# Altium PCB Shuttler_AMC.PcbDoc (part 9 of 12) (continued)
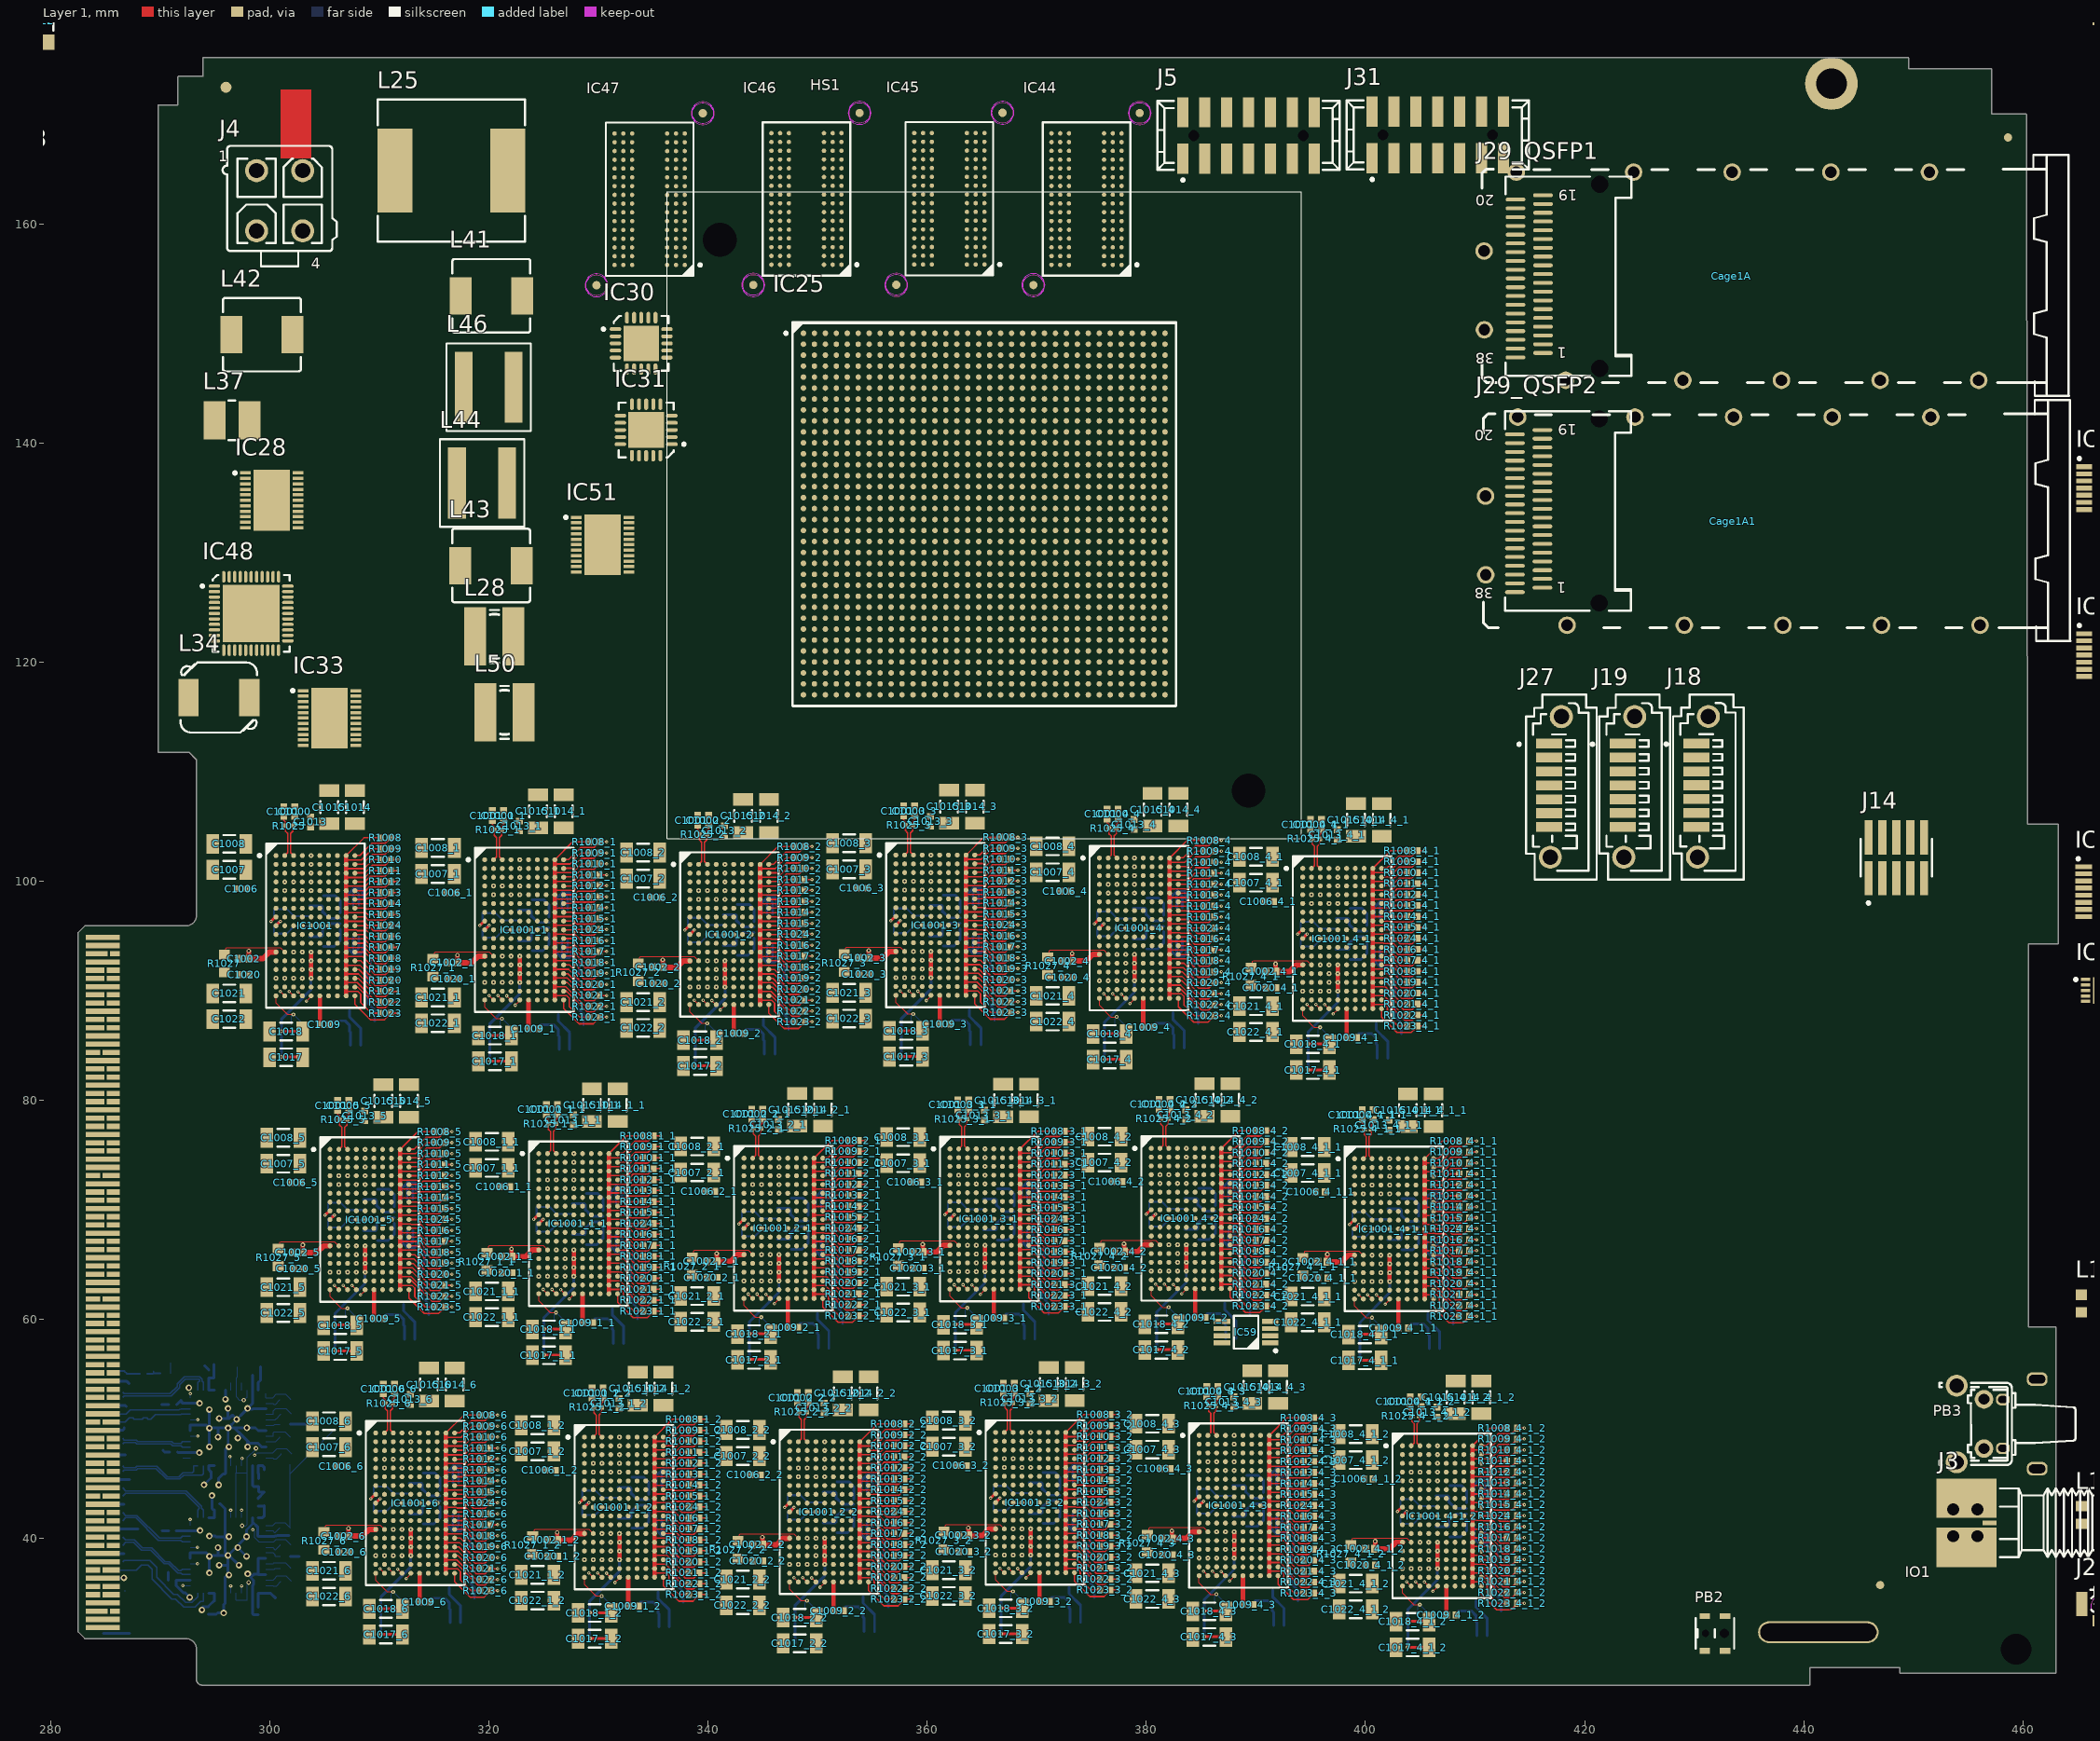
[diagram p0: Layer 1 view]
## Nets (pads, with @x,y where several pads share a name; then routed paths per layer and width w, separated by ;. In a path a pad name is that pad's centre, name@x,y a point inside that pad or via, vN(x,y) a via of type N, cw(c..) or ccw(c..) an arc to the next point about the centre after c; other vN are vias at no path point) (continued)
R1013_3.2 R1013_3_1.1 R1013_3_1.2 R1013_3_2.1 R1013_3_2.2 R1013_4.1 R1013_4.2 R1013_4_1.1 R1013_4_1.2 R1013_4_1_1.1 R1013_4_1_1.2 R1013_4_1_2.1 R1013_4_1_2.2 R1013_4_2.1 R1013_4_2.2 R1013_4_3.1 R1013_4_3.2 R1013_5.1 R1013_5.2 R1013_6.1 R1013_6.2 R1014.1 R1014.2 R1014_1.1 R1014_1.2 R1014_1_1.1 R1014_1_1.2 R1014_1_2.1 R1014_1_2.2 R1014_2.1 R1014_2.2 R1014_2_1.1 R1014_2_1.2 R1014_2_2.1 R1014_2_2.2 R1014_3.1 R1014_3.2 R1014_3_1.1 R1014_3_1.2 R1014_3_2.1 R1014_3_2.2 R1014_4.1 R1014_4.2 R1014_4_1.1 R1014_4_1.2 R1014_4_1_1.1 R1014_4_1_1.2 R1014_4_1_2.1 R1014_4_1_2.2 R1014_4_2.1 R1014_4_2.2 R1014_4_3.1 R1014_4_3.2 R1014_5.1 R1014_5.2 R1014_6.1 R1014_6.2 R1015.1 R1015.2 R1015_1.1 R1015_1.2 R1015_1_1.1 R1015_1_1.2 R1015_1_2.1 R1015_1_2.2 R1015_2.1 R1015_2.2 R1015_2_1.1 R1015_2_1.2 R1015_2_2.1 R1015_2_2.2 R1015_3.1 R1015_3.2 R1015_3_1.1 R1015_3_1.2 R1015_3_2.1 R1015_3_2.2 R1015_4.1 R1015_4.2 R1015_4_1.1 R1015_4_1.2 R1015_4_1_1.1 R1015_4_1_1.2 R1015_4_1_2.1 R1015_4_1_2.2 R1015_4_2.1 R1015_4_2.2 R1015_4_3.1 R1015_4_3.2 R1015_5.1 R1015_5.2 R1015_6.1 R1015_6.2 R1016.1 R1016.2 R1016_1.1 R1016_1.2 R1016_1_1.1 R1016_1_1.2 R1016_1_2.1 R1016_1_2.2 R1016_2.1 R1016_2.2 R1016_2_1.1 R1016_2_1.2 R1016_2_2.1 R1016_2_2.2 R1016_3.1 R1016_3.2 R1016_3_1.1 R1016_3_1.2 R1016_3_2.1 R1016_3_2.2 R1016_4.1 R1016_4.2 R1016_4_1.1 R1016_4_1.2 R1016_4_1_1.1 R1016_4_1_1.2 R1016_4_1_2.1 R1016_4_1_2.2 R1016_4_2.1 R1016_4_2.2 R1016_4_3.1 R1016_4_3.2 R1016_5.1 R1016_5.2 R1016_6.1 R1016_6.2 R1017.1 R1017.2 R1017_1.1 R1017_1.2 R1017_1_1.1 R1017_1_1.2 R1017_1_2.1 R1017_1_2.2 R1017_2.1 R1017_2.2 R1017_2_1.1 R1017_2_1.2 R1017_2_2.1 R1017_2_2.2 R1017_3.1 R1017_3.2 R1017_3_1.1 R1017_3_1.2 R1017_3_2.1 R1017_3_2.2 R1017_4.1 R1017_4.2 R1017_4_1.1 R1017_4_1.2 R1017_4_1_1.1 R1017_4_1_1.2 R1017_4_1_2.1 R1017_4_1_2.2 R1017_4_2.1 R1017_4_2.2 R1017_4_3.1 R1017_4_3.2 R1017_5.1 R1017_5.2 R1017_6.1 R1017_6.2 R1018.1 R1018.2 R1018_1.1 R1018_1.2 R1018_1_1.1 R1018_1_1.2 R1018_1_2.1 R1018_1_2.2 R1018_2.1 R1018_2.2 R1018_2_1.1 R1018_2_1.2 R1018_2_2.1 R1018_2_2.2 R1018_3.1 R1018_3.2 R1018_3_1.1 R1018_3_1.2 R1018_3_2.1 R1018_3_2.2 R1018_4.1 R1018_4.2 R1018_4_1.1 R1018_4_1.2 R1018_4_1_1.1 R1018_4_1_1.2 R1018_4_1_2.1 R1018_4_1_2.2 R1018_4_2.1 R1018_4_2.2 R1018_4_3.1 R1018_4_3.2 R1018_5.1 R1018_5.2 R1018_6.1 R1018_6.2 R1019.1 R1019.2 R1019_1.1 R1019_1.2 R1019_1_1.1 R1019_1_1.2 R1019_1_2.1 R1019_1_2.2 R1019_2.1 R1019_2.2 R1019_2_1.1 R1019_2_1.2 R1019_2_2.1 R1019_2_2.2 R1019_3.1 R1019_3.2 R1019_3_1.1 R1019_3_1.2 R1019_3_2.1 R1019_3_2.2 R1019_4.1 R1019_4.2 R1019_4_1.1 R1019_4_1.2 R1019_4_1_1.1 R1019_4_1_1.2 R1019_4_1_2.1 R1019_4_1_2.2 R1019_4_2.1 R1019_4_2.2 R1019_4_3.1 R1019_4_3.2 R1019_5.1 R1019_5.2 R1019_6.1 R1019_6.2 R1020.1 R1020.2 R1020_1.1 R1020_1.2 R1020_1_1.1 R1020_1_1.2 R1020_1_2.1 R1020_1_2.2 R1020_2.1 R1020_2.2 R1020_2_1.1 R1020_2_1.2 R1020_2_2.1 R1020_2_2.2 R1020_3.1 R1020_3.2 R1020_3_1.1 R1020_3_1.2 R1020_3_2.1 R1020_3_2.2 R1020_4.1 R1020_4.2 R1020_4_1.1 R1020_4_1.2 R1020_4_1_1.1 R1020_4_1_1.2 R1020_4_1_2.1 R1020_4_1_2.2 R1020_4_2.1 R1020_4_2.2 R1020_4_3.1 R1020_4_3.2 R1020_5.1 R1020_5.2 R1020_6.1 R1020_6.2 R1021.1 R1021.2 R1021_1.1 R1021_1.2 R1021_1_1.1 R1021_1_1.2 R1021_1_2.1 R1021_1_2.2 R1021_2.1 R1021_2.2 R1021_2_1.1 R1021_2_1.2 R1021_2_2.1 R1021_2_2.2 R1021_3.1 R1021_3.2 R1021_3_1.1 R1021_3_1.2 R1021_3_2.1 R1021_3_2.2 R1021_4.1 R1021_4.2 R1021_4_1.1 R1021_4_1.2 R1021_4_1_1.1 R1021_4_1_1.2 R1021_4_1_2.1 R1021_4_1_2.2 R1021_4_2.1 R1021_4_2.2 R1021_4_3.1 R1021_4_3.2 R1021_5.1 R1021_5.2 R1021_6.1 R1021_6.2 R1022.1 R1022.2 R1022_1.1 R1022_1.2 R1022_1_1.1 R1022_1_1.2 R1022_1_2.1 R1022_1_2.2 R1022_2.1 R1022_2.2 R1022_2_1.1 R1022_2_1.2 R1022_2_2.1 R1022_2_2.2 R1022_3.1 R1022_3.2 R1022_3_1.1 R1022_3_1.2 R1022_3_2.1 R1022_3_2.2 R1022_4.1 R1022_4.2 R1022_4_1.1 R1022_4_1.2 R1022_4_1_1.1 R1022_4_1_1.2 R1022_4_1_2.1 R1022_4_1_2.2 R1022_4_2.1 R1022_4_2.2 R1022_4_3.1 R1022_4_3.2 R1022_5.1 R1022_5.2 R1022_6.1 R1022_6.2 R1023.1 R1023.2 R1023_1.1 R1023_1.2 R1023_1_1.1 R1023_1_1.2 R1023_1_2.1 R1023_1_2.2 R1023_2.1 R1023_2.2 R1023_2_1.1 R1023_2_1.2 R1023_2_2.1 R1023_2_2.2 R1023_3.1 R1023_3.2 R1023_3_1.1 R1023_3_1.2 R1023_3_2.1 R1023_3_2.2 R1023_4.1 R1023_4.2 R1023_4_1.1 R1023_4_1.2 R1023_4_1_1.1 R1023_4_1_1.2 R1023_4_1_2.1 R1023_4_1_2.2 R1023_4_2.1 R1023_4_2.2 R1023_4_3.1 R1023_4_3.2 R1023_5.1 R1023_5.2 R1023_6.1 R1023_6.2 R1024.1 R1024.2 R1024_1.1 R1024_1.2 R1024_1_1.1 R1024_1_1.2 R1024_1_2.1 R1024_1_2.2 R1024_2.1 R1024_2.2 R1024_2_1.1 R1024_2_1.2 R1024_2_2.1 R1024_2_2.2 R1024_3.1 R1024_3.2 R1024_3_1.1 R1024_3_1.2 R1024_3_2.1 R1024_3_2.2 R1024_4.1 R1024_4.2 R1024_4_1.1 R1024_4_1.2 R1024_4_1_1.1 R1024_4_1_1.2 R1024_4_1_2.1 R1024_4_1_2.2 R1024_4_2.1 R1024_4_2.2 R1024_4_3.1 R1024_4_3.2 R1024_5.1 R1024_5.2 R1024_6.1 R1024_6.2 R1025.1 R1025.2 R1025_1.1 R1025_1.2 R1025_1_1.1 R1025_1_1.2 R1025_1_2.1 R1025_1_2.2 R1025_2.1 R1025_2.2 R1025_2_1.1 R1025_2_1.2 R1025_2_2.1 R1025_2_2.2 R1025_3.1 R1025_3.2 R1025_3_1.1 R1025_3_1.2 R1025_3_2.1 R1025_3_2.2 R1025_4.1 R1025_4.2 R1025_4_1.1 R1025_4_1.2 R1025_4_1_1.1 R1025_4_1_1.2 R1025_4_1_2.1 R1025_4_1_2.2 R1025_4_2.1 R1025_4_2.2 R1025_4_3.1 R1025_4_3.2 R1025_5.1 R1025_5.2 R1025_6.1 R1025_6.2 R1026.1 R1026.2 R1026_1.1 R1026_1.2 R1026_1_1.1 R1026_1_1.2 R1026_1_2.1 R1026_1_2.2 R1026_2.1 R1026_2.2 R1026_2_1.1 R1026_2_1.2 R1026_2_2.1 R1026_2_2.2 R1026_3.1 R1026_3.2 R1026_3_1.1 R1026_3_1.2 R1026_3_2.1 R1026_3_2.2 R1026_4.1 R1026_4.2 R1026_4_1.1 R1026_4_1.2 R1026_4_1_1.1 R1026_4_1_1.2 R1026_4_1_2.1 R1026_4_1_2.2 R1026_4_2.1 R1026_4_2.2 R1026_4_3.1 R1026_4_3.2 R1026_5.1 R1026_5.2 R1026_6.1 R1026_6.2 R1027.1 R1027.2 R1027_1.1 R1027_1.2 R1027_1_1.1 R1027_1_1.2 R1027_1_2.1 R1027_1_2.2 R1027_2.1 R1027_2.2 R1027_2_1.1 R1027_2_1.2 R1027_2_2.1 R1027_2_2.2 R1027_3.1 R1027_3.2 R1027_3_1.1 R1027_3_1.2 R1027_3_2.1 R1027_3_2.2 R1027_4.1 R1027_4.2 R1027_4_1.1 R1027_4_1.2 R1027_4_1_1.1 R1027_4_1_1.2 R1027_4_1_2.1 R1027_4_1_2.2 R1027_4_2.1 R1027_4_2.2 R1027_4_3.1 R1027_4_3.2 R1027_5.1 R1027_5.2 R1027_6.1 R1027_6.2 T1000.1 T1000.2 T1000.3 T1000_1.1 T1000_1.2 T1000_1.3 T1000_1_1.1 T1000_1_1.2 T1000_1_1.3 T1000_1_2.1 T1000_1_2.2 T1000_1_2.3 T1000_2.1 T1000_2.2 T1000_2.3 T1000_2_1.1 T1000_2_1.2 T1000_2_1.3 T1000_2_2.1 T1000_2_2.2 T1000_2_2.3 T1000_3.1 T1000_3.2 T1000_3.3 T1000_3_1.1 T1000_3_1.2 T1000_3_1.3 T1000_3_2.1 T1000_3_2.2 T1000_3_2.3 T1000_4.1 T1000_4.2 T1000_4.3 T1000_4_1.1 T1000_4_1.2 T1000_4_1.3 T1000_4_1_1.1 T1000_4_1_1.2 T1000_4_1_1.3 T1000_4_1_2.1 T1000_4_1_2.2 T1000_4_1_2.3 T1000_4_2.1 T1000_4_2.2 T1000_4_2.3 T1000_4_3.1 T1000_4_3.2 T1000_4_3.3 T1000_5.1 T1000_5.2 T1000_5.3 T1000_6.1 T1000_6.2 T1000_6.3 T1001.1 T1001.2 T1001.3 T1001_1.1 T1001_1.2 T1001_1.3 T1001_1_1.1 T1001_1_1.2 T1001_1_1.3 T1001_1_2.1 T1001_1_2.2 T1001_1_2.3 T1001_2.1 T1001_2.2 T1001_2.3 T1001_2_1.1 T1001_2_1.2 T1001_2_1.3 T1001_2_2.1 T1001_2_2.2 T1001_2_2.3 T1001_3.1 T1001_3.2 T1001_3.3 T1001_3_1.1 T1001_3_1.2 T1001_3_1.3 T1001_3_2.1 T1001_3_2.2 T1001_3_2.3 T1001_4.1 T1001_4.2 T1001_4.3 T1001_4_1.1 T1001_4_1.2 T1001_4_1.3 T1001_4_1_1.1 T1001_4_1_1.2 T1001_4_1_1.3 T1001_4_1_2.1 T1001_4_1_2.2 T1001_4_1_2.3 T1001_4_2.1 T1001_4_2.2 T1001_4_2.3 T1001_4_3.1 T1001_4_3.2 T1001_4_3.3 T1001_5.1 T1001_5.2 T1001_5.3 T1001_6.1 T1001_6.2 T1001_6.3
copper on no net: | length 4807.3
  Layer 1 w0.1: 295.85,93.297 296,93.447 296,93.872 296.078,93.95 300.969,93.95 301.369,93.55 ; 300.569,89.55 300.569,88.897 301.619,87.847 v1(302.15,87.847) ; 300.781,66.475 300.931,66.625 300.931,67.05 301.009,67.128 305.9,67.128 306.3,66.728 ; v2(300.969,89.947) 301.366,89.55 301.369,89.55 ; v2(301.775,89.947) 301.775,89.944 302.169,89.55 ; v2(302.574,89.922) 302.946,89.55 302.969,89.55 ; v2(303.356,89.072) 303.769,89.485 303.769,89.55 ; 304.95,40.597 305.1,40.747 305.1,41.172 305.178,41.25 310.069,41.25 310.469,40.85 ; 305.5,62.728 305.5,62.075 306.55,61.025 v1(307.081,61.025) ; v2(305.9,63.125) 306.297,62.728 306.3,62.728 ; v2(306.706,63.125) 306.706,63.122 307.1,62.728 ; v2(307.505,63.1) 307.877,62.728 307.9,62.728 ; v2(308.287,62.25) 308.7,62.663 308.7,62.728 ; 309.669,36.85 309.669,36.197 310.719,35.147 v1(311.25,35.147) ; v2(310.069,37.247) 310.466,36.85 310.469,36.85 ; v2(310.875,37.247) 310.875,37.244 311.269,36.85 ; v2(311.674,37.222) 312.046,36.85 312.069,36.85 ; v2(312.456,36.372) 312.869,36.785 312.869,36.85 ; 314.9,92.922 315.05,93.072 315.05,93.497 315.128,93.575 320.019,93.575 320.419,93.175 ; 319.619,89.175 319.619,88.522 320.669,87.472 v1(321.2,87.472) ; 319.831,66.1 319.981,66.25 319.981,66.675 320.059,66.753 324.95,66.753 325.35,66.353 ; v2(320.019,89.572) 320.416,89.175 320.419,89.175 ; v2(320.825,89.572) 320.825,89.569 321.219,89.175 ; v2(321.624,89.547) 321.996,89.175 322.019,89.175 ; v2(322.406,88.697) 322.819,89.11 322.819,89.175 ; 324,40.222 324.15,40.372 324.15,40.797 324.228,40.875 329.119,40.875 329.519,40.475 ; 324.55,62.353 324.55,61.7 325.6,60.65 v1(326.131,60.65) ; v2(324.95,62.75) 325.347,62.353 325.35,62.353 ; v2(325.756,62.75) 325.756,62.747 326.15,62.353 ; v2(326.555,62.725) 326.927,62.353 326.95,62.353 ; v2(327.337,61.875) 327.75,62.288 327.75,62.353 ; 328.719,36.475 328.719,35.822 329.769,34.772 v1(330.3,34.772) ; v2(329.119,36.872) 329.516,36.475 329.519,36.475 ; v2(329.925,36.872) 329.925,36.869 330.319,36.475 ; v2(330.724,36.847) 331.096,36.475 331.119,36.475 ; v2(331.506,35.997) 331.919,36.41 331.919,36.475 ; 333.625,92.497 333.775,92.647 333.775,93.072 333.853,93.15 338.744,93.15 339.144,92.75 ; 338.344,88.75 338.344,88.097 339.394,87.047 v1(339.925,87.047) ; 338.556,65.675 338.706,65.825 338.706,66.25 338.784,66.328 343.675,66.328 344.075,65.928 ; v2(338.744,89.147) 339.141,88.75 339.144,88.75 ; v2(339.55,89.147) 339.55,89.144 339.944,88.75 ; v2(340.349,89.122) 340.721,88.75 340.744,88.75 ; v2(341.131,88.272) 341.544,88.685 341.544,88.75 ; 342.725,39.797 342.875,39.947 342.875,40.372 342.953,40.45 347.844,40.45 348.244,40.05 ; 343.275,61.928 343.275,61.275 344.325,60.225 v1(344.856,60.225) ; v2(343.675,62.325) 344.072,61.928 344.075,61.928 ; v2(344.481,62.325) 344.481,62.322 344.875,61.928 ; v2(345.28,62.3) 345.652,61.928 345.675,61.928 ; v2(346.062,61.45) 346.475,61.863 346.475,61.928 ; 347.444,36.05 347.444,35.397 348.494,34.347 v1(349.025,34.347) ; v2(347.844,36.447) 348.241,36.05 348.244,36.05 ; v2(348.65,36.447) 348.65,36.444 349.044,36.05 ; v2(349.449,36.422) 349.821,36.05 349.844,36.05 ; v2(350.231,35.572) 350.644,35.985 350.644,36.05 ; 352.425,93.347 352.575,93.497 352.575,93.922 352.653,94 357.544,94 357.944,93.6 ; 357.144,89.6 357.144,88.947 358.194,87.897 v1(358.725,87.897) ; 357.356,66.525 357.506,66.675 357.506,67.1 357.584,67.178 362.475,67.178 362.875,66.778 ; v2(357.544,89.997) 357.941,89.6 357.944,89.6 ; v2(358.35,89.997) 358.35,89.994 358.744,89.6 ; v2(359.149,89.972) 359.521,89.6 359.544,89.6 ; v2(359.931,89.122) 360.344,89.535 360.344,89.6 ; 361.525,40.647 361.675,40.797 361.675,41.222 361.753,41.3 366.644,41.3 367.044,40.9 ; 362.075,62.778 362.075,62.125 363.125,61.075 v1(363.656,61.075) ; v2(362.475,63.175) 362.872,62.778 362.875,62.778 ; v2(363.281,63.175) 363.281,63.172 363.675,62.778 ; v2(364.08,63.15) 364.452,62.778 364.475,62.778 ; v2(364.862,62.3) 365.275,62.713 365.275,62.778 ; 366.244,36.9 366.244,36.247 367.294,35.197 v1(367.825,35.197) ; v2(366.644,37.297) 367.041,36.9 367.044,36.9 ; v2(367.45,37.297) 367.45,37.294 367.844,36.9 ; v2(368.249,37.272) 368.621,36.9 368.644,36.9 ; v2(369.031,36.422) 369.444,36.835 369.444,36.9 ; 371,93.072 371.15,93.222 371.15,93.647 371.228,93.725 376.119,93.725 376.519,93.325 ; 375.719,89.325 375.719,88.672 376.769,87.622 v1(377.3,87.622) ; 375.731,66.572 375.881,66.722 375.881,67.147 375.959,67.225 380.85,67.225 381.25,66.825 ; v2(376.119,89.722) 376.516,89.325 376.519,89.325 ; v2(376.925,89.722) 376.925,89.719 377.319,89.325 ; v2(377.724,89.697) 378.096,89.325 378.119,89.325 ; v2(378.506,88.847) 378.919,89.26 378.919,89.325 ; 380.1,40.372 380.25,40.522 380.25,40.947 380.328,41.025 385.219,41.025 385.619,40.625 ; 380.45,62.825 380.45,62.172 381.5,61.122 v1(382.031,61.122) ; v2(380.85,63.222) 381.247,62.825 381.25,62.825 ; v2(381.656,63.222) 381.656,63.219 382.05,62.825 ; v2(382.455,63.197) 382.827,62.825 382.85,62.825 ; v2(383.237,62.347) 383.65,62.76 383.65,62.825 ; 384.819,36.625 384.819,35.972 385.869,34.922 v1(386.4,34.922) ; v2(385.219,37.022) 385.616,36.625 385.619,36.625 ; v2(386.025,37.022) 386.025,37.019 386.419,36.625 ; v2(386.824,36.997) 387.196,36.625 387.219,36.625 ; v2(387.606,36.147) 388.019,36.56 388.019,36.625 ; 389.556,92.125 389.706,92.275 389.706,92.7 389.784,92.778 394.675,92.778 395.075,92.378 ; 394.275,88.378 394.275,87.725 395.325,86.675 v1(395.856,86.675) ; 394.287,65.625 394.437,65.775 394.437,66.2 394.515,66.278 399.406,66.278 399.806,65.878 ; v2(394.675,88.775) 395.072,88.378 395.075,88.378 ; v2(395.481,88.775) 395.481,88.772 395.875,88.378 ; v2(396.28,88.75) 396.652,88.378 396.675,88.378 ; v2(397.062,87.9) 397.475,88.313 397.475,88.378 ; 398.656,39.425 398.806,39.575 398.806,40 398.884,40.078 403.775,40.078 404.175,39.678 ; 399.006,61.878 399.006,61.225 400.056,60.175 v1(400.587,60.175) ; v2(399.406,62.275) 399.803,61.878 399.806,61.878 ; v2(400.212,62.275) 400.212,62.272 400.606,61.878 ; v2(401.011,62.25) 401.383,61.878 401.406,61.878 ; v2(401.793,61.4) 402.206,61.813 402.206,61.878 ; 403.375,35.678 403.375,35.025 404.425,33.975 v1(404.956,33.975) ; v2(403.775,36.075) 404.172,35.678 404.175,35.678 ; v2(404.581,36.075) 404.581,36.072 404.975,35.678 ; v2(405.38,36.05) 405.752,35.678 405.775,35.678 ; v2(406.162,35.2) 406.575,35.613 406.575,35.678